# Altium PCB SupplyBox_v2.PcbDoc (part 2 of 2)
Units mil, origin at the board's own origin, x right, y up, seen from the top; angles counter-clockwise.
Board outline 7450 x 9000 mil, 6 copper layers (Top Layer, +50V, +5V, Internal, -50V, Bottom Layer), stack 60.56 mil thick; 234 components, 116 nets, 861 pads, 1382 vias.
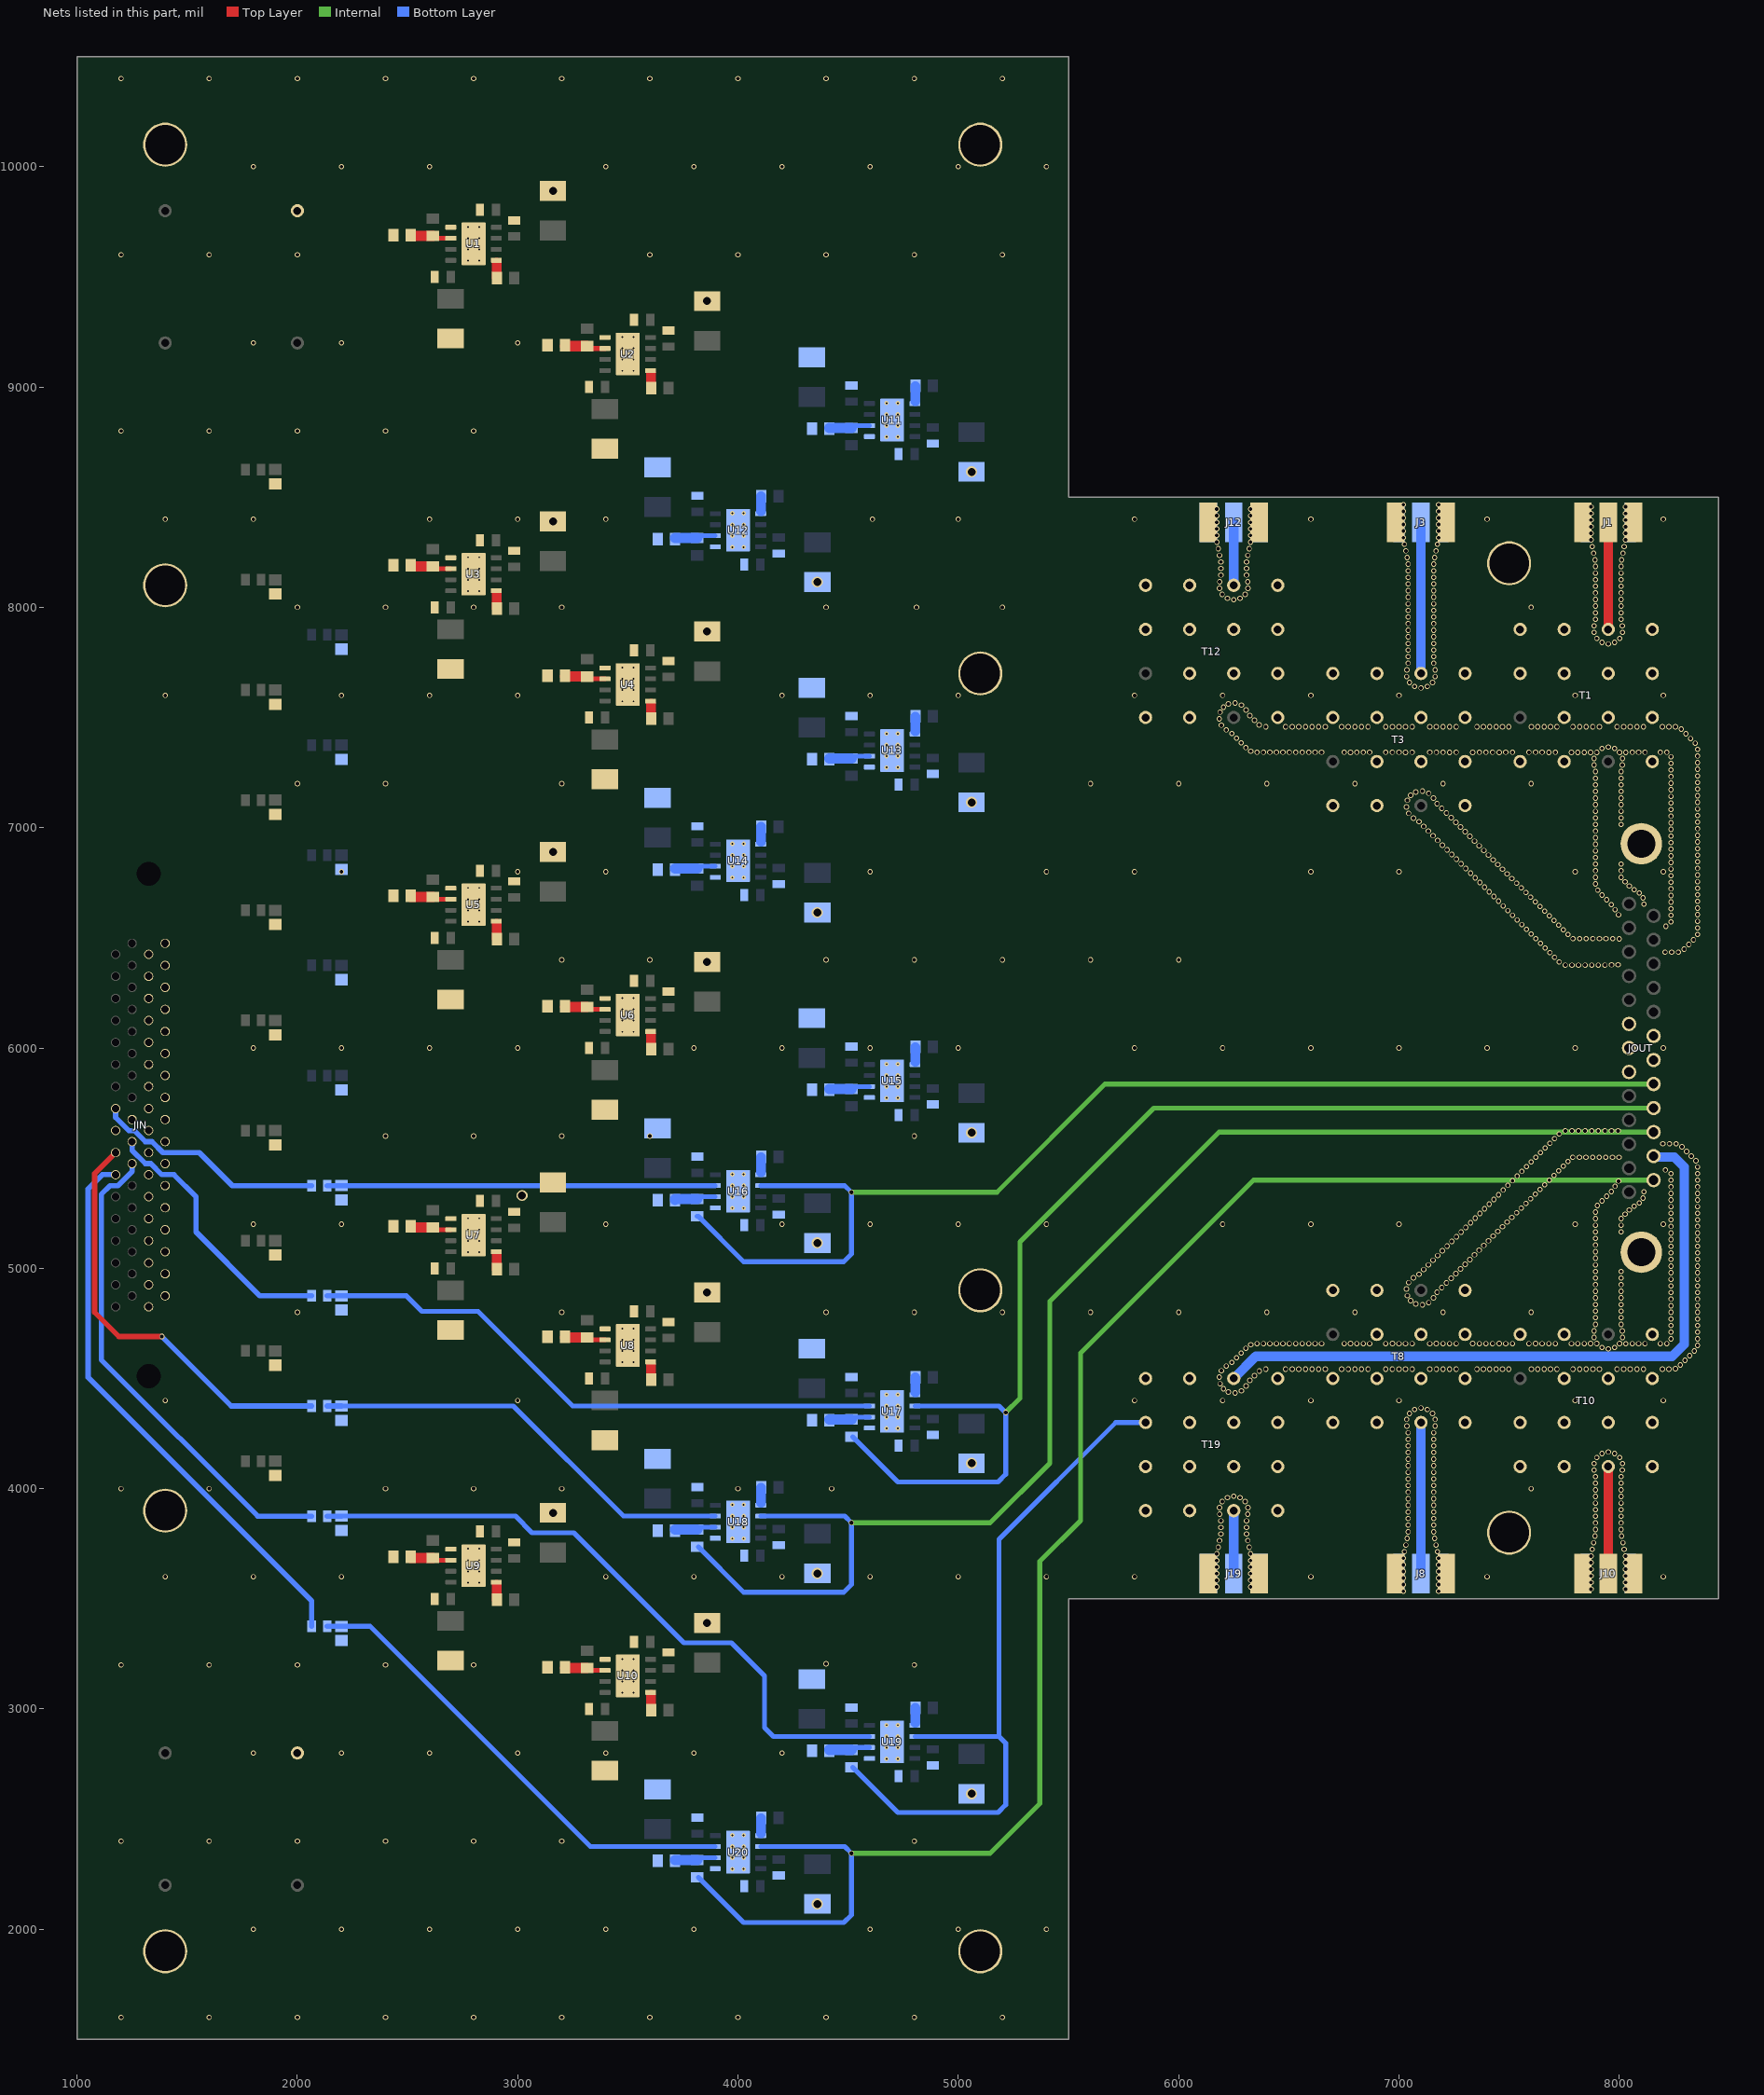
[diagram p6: the nets of this part, all layers, seen from the top]

## Via types
v1: diameter 24, hole 16, Internal to Bottom Layer, 512 vias
v2: diameter 24, hole 16, Top Layer to +5V, 364 vias
v3: diameter 24, hole 16, Top Layer to Bottom Layer, 207 vias
v4: diameter 19.68, hole 7.87, Top Layer to Bottom Layer, tented both sides, 80 vias
v5: diameter 19.68, hole 7.87, Top Layer to Bottom Layer, 80 vias
v6: diameter 24.4, hole 16, Internal to Bottom Layer, 28 vias
v7: diameter 50, hole 36, Top Layer to Bottom Layer, 20 vias
v8: diameter 24, hole 18, +5V to Bottom Layer, 20 vias
v9: diameter 24, hole 18, Top Layer to +5V, 20 vias
v10: diameter 50, hole 36, +50V to Bottom Layer, 10 vias
v11: diameter 50, hole 36, -50V to Bottom Layer, 10 vias
v12: diameter 50, hole 36, Top Layer to -50V, 10 vias
v13: diameter 50, hole 36, Top Layer to +50V, 10 vias
v14: diameter 24, hole 18, Internal to Bottom Layer, 8 vias
v15: diameter 24, hole 18, Top Layer to Bottom Layer, 3 vias

## Nets (pads, with @x,y where several pads share a name; then routed paths per layer and width w, separated by ;. In a path a pad name is that pad's centre, name@x,y a point inside that pad or via, vN(x,y) a via of type N, cw(c..) or ccw(c..) an arc to the next point about the centre after c; other vN are vias at no path point) (continued)
CH16A: JOUT.21 Rf16.2 U16.6 | length 5348.3
  Internal w22: v14(4515,5345) 5175,5345 5666.42,5836.42 JOUT.21@8155.98,5836.42
  Bottom Layer w22: Rf16.2@3815,5235.63 3819.92,5235.63 4025.55,5030 4480,5030 4515,5065 v14(4515,5345) 4485,5375 U16.6@4103.35,5375
CH16F: C16.2 R16.2 U16.3 | length 1761.2
  Bottom Layer w22: C16.2@2200,5375 U16.3@3896.65,5375
  Bottom Layer w24: R16.2@2135.43,5375 C16.2@2200,5375
CH16IN: JIN.16 R16.1 | length 1058
  Bottom Layer w24: JIN.16@1175,5725 1175,5685 1235,5625 1260,5625 1310,5575 1340,5575 1390,5525 1555,5525 1705,5375 R16.1@2064.57,5375
CH17A: JOUT.22 Rf17.2 U17.6 | length 5428.3
  Internal w22: v14(5215,4345) 5280,4410 5280,5120 5887.36,5727.36 JOUT.22@8155.98,5727.36
  Bottom Layer w22: Rf17.2@4519.92,4235.63 4725.55,4030 5180,4030 5215,4065 v14(5215,4345) 5185,4375 U17.6@4803.35,4375
CH17F: C17.2 R17.2 U17.3 | length 2668.3
  Bottom Layer w22: C17.2@2200,4875 2495,4875 2565,4805 2820,4805 3250,4375 U17.3@4596.65,4375
  Bottom Layer w24: R17.2@2135.43,4875 C17.2@2200,4875
CH17IN: JIN.19 R17.1 | length 1221.7
  Bottom Layer w24: JIN.19@1250,5575 1250,5535 1310,5475 1335,5475 1385,5425 1440,5425 1540,5325 1540,5165 1830,4875 R17.1@2064.57,4875
CH18A: JOUT.23 Rf18.2 U18.6 | length 6304.9
  Internal w22: v14(4515,3845) 5145,3845 5415,4115 5415,4850 6183.31,5618.31 JOUT.23@8155.98,5618.31
  Bottom Layer w22: Rf18.2@3819.92,3735.63 4025.55,3530 4480,3530 4515,3565 v14(4515,3845) 4485,3875 U18.6@4103.35,3875
CH18F: C18.2 R18.2 U18.3 | length 1968.3
  Bottom Layer w22: C18.2@2200,4375 2980,4375 3480,3875 U18.3@3896.65,3875
  Bottom Layer w24: R18.2@2135.43,4375 C18.2@2200,4375
CH18IN: JIN.20 R18.1 | length 1925
  Top Layer w24: JIN.20@1175,5525 1080,5430 1080,4800 1190,4690 v15(1385,4690)
  Bottom Layer w24: v15(1385,4690) 1700,4375 R18.1@2064.57,4375
CH19A: Rf19.2 T19.3 U19.6 | length 3278.4
  Bottom Layer w22: Rf19.2@4519.92,2735.63 4725.55,2530 5180,2530 5215,2565 5215,2845 5185,2875 ; U19.6@4803.35,2875 5185,2875 ; T19.3@5850,4300 5715,4300 5185,3770 5185,2875
CH19F: C19.2 R19.2 U19.3 | length 3013.1
  Bottom Layer w22: C19.2@2200,3875 2990,3875 3065,3800 3255,3800 3755,3300 3970,3300 4120,3150 4120,2915 4160,2875 U19.3@4596.65,2875
  Bottom Layer w24: R19.2@2135.43,3875 C19.2@2200,3875
CH19IN: JIN.21 R19.1 | length 2217.2
  Bottom Layer w24: JIN.21@1250,5475 1250,5440 1185,5375 1150,5375 1110,5335 1110,4585 1820,3875 R19.1@2064.57,3875
CH19OUT: JOUT.24 T19.12 | length 3073.6
  Bottom Layer w43: T19.12@6250,4500 6350,4600 8240,4600 8295,4655 8295,5460 8249.95,5505.05 8160.19,5505.05 JOUT.24@8155.98,5509.25
CH20A: JOUT.25 Rf20.2 U20.6 | length 7494.9
  Internal w22: v14(4515,2345) 5145,2345 5370,2570 5370,3670 5555,3855 5555,4615 6340.2,5400.2 JOUT.25@8155.98,5400.2
  Bottom Layer w22: Rf20.2@3819.92,2235.63 4025.55,2030 4480,2030 4515,2065 v14(4515,2345) 4485,2375 U20.6@4103.35,2375
CH20F: C20.2 R20.2 U20.3 | length 2175.4
  Bottom Layer w22: C20.2@2200,3375 2330,3375 3330,2375 U20.3@3896.65,2375
  Bottom Layer w24: R20.2@2135.43,3375 C20.2@2200,3375
CH20IN: JIN.22 R20.1 | length 2557.2
  Bottom Layer w24: JIN.22@1175,5425 1115,5425 1050,5360 1050,4505 2064.57,3490.43 R20.1@2064.57,3375
GND: C1.1 C2.1 C3.1 C4.1 C5.1 C6.1 C7.1 C8.1 C9.1 C10.1 C11.1 C12.1 C13.1 C14.1 C15.1 C16.1 C17.1 C18.1 C19.1 C20.1 Cd11.1 Cd12.2 Cd13.1 Cd14.2 Cd21.1 Cd22.2 Cd23.1 Cd24.2 Cd31.1 Cd32.2 Cd33.1 Cd34.2 Cd41.1 Cd42.2 Cd43.1 Cd44.2 Cd51.1 Cd52.2 Cd53.1 Cd54.2 Cd61.1 Cd62.2 Cd63.1 Cd64.2 Cd71.1 Cd72.2 Cd73.1 Cd74.2 Cd81.1 Cd82.2 Cd83.1 Cd84.2 Cd91.1 Cd92.2 Cd93.1 Cd94.2 Cd101.1 Cd102.2 Cd103.1 Cd104.2 Cd111.1 Cd112.2 Cd113.1 Cd114.2 Cd121.1 Cd122.2 Cd123.1 Cd124.2 Cd131.1 Cd132.2 Cd133.1 Cd134.2 Cd141.1 Cd142.2 Cd143.1 Cd144.2 Cd151.1 Cd152.2 Cd153.1 Cd154.2 Cd161.1 Cd162.2 Cd163.1 Cd164.2 Cd171.1 Cd172.2 Cd173.1 Cd174.2 Cd181.1 Cd182.2 Cd183.1 Cd184.2 Cd191.1 Cd192.2 Cd193.1 Cd194.2 Cd201.1 Cd202.2 Cd203.1 Cd204.2 Ce1.1 Ce2.1 Ce3.1 Ce4.1 Ce5.1 Ce6.1 Ce7.1 Ce8.1 Ce9.1 Ce10.1 Ce11.1 Ce12.1 Ce13.1 Ce14.1 Ce15.1 Ce16.1 Ce17.1 Ce18.1 Ce19.1 Ce20.1 J1.2 J1.3 J1.4 J1.5 J3.2 J3.3 J3.4 J3.5 J8.2 J8.3 J8.4 J8.5 J10.2 J10.3 J10.4 J10.5 J12.2 J12.3 J12.4 J12.5 J19.2 J19.3 J19.4 J19.5 JIN.17 JIN.18 JIN.35 JIN.36 JIN.37 JIN.38 JIN.39 JIN.40 JIN.41 JIN.42 JIN.43 JIN.44 JIN.45 JIN.46 JIN.47 JIN.48 JIN.49 JIN.50 JIN.51 JIN.52 JIN.53 JIN.54 JIN.55 JIN.56 JIN.57 JIN.58 JIN.59 JIN.60 JIN.61 JIN.62 JIN.63 JIN.64 JIN.65 JIN.66 JIN.67 JIN.68 JIN.M1 JIN.M2 JOUT.6 JOUT.7 JOUT.8 JOUT.19 JOUT.20 JOUT.M1 JOUT.M2 pad.4.5mm pad.Vg Rg1.1 Rg2.1 Rg3.1 Rg4.1 Rg5.1 Rg6.1 Rg7.1 Rg8.1 Rg9.1 Rg10.1 Rg11.1 Rg12.1 Rg13.1 Rg14.1 Rg15.1 Rg16.1 Rg17.1 Rg18.1 Rg19.1 Rg20.1 T1.1 T1.2 T1.4 T1.5 T1.6 T1.7 T1.8 T1.10 T1.11 T1.13 T1.14 T1.15 T1.16 T3.1 T3.2 T3.4 T3.5 T3.6 T3.7 T3.8 T3.10 T3.11 T3.13 T3.14 T3.15 T3.16 T8.1 T8.2 T8.4 T8.5 T8.6 T8.7 T8.8 T8.10 T8.11 T8.13 T8.14 T8.15 T8.16 T10.1 T10.2 T10.4 T10.5 T10.6 T10.7 T10.8 T10.10 T10.11 T10.13 T10.14 T10.15 T10.16 T12.1 T12.2 T12.4 T12.5 T12.6 T12.7 T12.8 T12.10 T12.11 T12.13 T12.14 T12.15 T12.16 T19.1 T19.2 T19.4 T19.5 T19.6 T19.7 T19.8 T19.10 T19.11 T19.13 T19.14 T19.15 T19.16 U1.1 U1.9@2800,9650 U2.1 U2.9@3500,9150 U3.1 U3.9@2800,8150 U4.1 U4.9@3500,7650 U5.1 U5.9@2800,6650 U6.1 U6.9@3500,6150 U7.1 U7.9@2800,5150 U8.1 U8.9@3500,4650 U9.1 U9.9@2800,3650 U10.1 U10.9@3500,3150 U11.1 U11.9@4700,8850 U12.1 U12.9@4000,8350 U13.1 U13.9@4700,7350 U14.1 U14.9@4000,6850 U15.1 U15.9@4700,5850 U16.1 U16.9@4000,5350 U17.1 U17.9@4700,4350 U18.1 U18.9@4000,3850 U19.1 U19.9@4700,2850 U20.1 U20.9@4000,2350
  other v1: 7020,3534 7180,3534 6173.4,3554 6326.6,3554 7020,3564 7180,3564 6173.4,3584 6326.6,3584 7020,3594 7180,3594 6173.4,3614 6326.6,3614 7020,3624 7180,3624 6173.4,3644 6326.6,3644 7020,3654 7180,3654 6173.4,3674 6326.6,3674 7020,3684 7180,3684 6173.4,3704 6326.6,3704 7025.2,3714 7174.8,3714 6179.6,3734 6320.4,3734 7031.4,3744 7168.6,3744 6185.8,3764 6314.2,3764 7037.6,3774 7162.4,3774 6192,3794 6308,3794 7042,3804 7158,3804 6192,3824 6308,3824 7042,3834 7158,3834 6192,3854 6308,3854 7042,3864 7158,3864 6186,3884 6314,3884 7042,3894 7158,3894 6185.5,3914 6314.5,3914 7042,3924 7158,3924 6197.8,3941 6302.2,3941 7042,3954 7158,3954 6221.2,3959.5 6278.8,3959.5 6250,3966 7042,3984 7158,3984 7042,4014 7158,4014 7042,4044 7158,4044 7042,4074 7158,4074 7042,4104 7158,4104 7042,4134 7158,4134 7042,4164 7158,4164 7042,4194 7158,4194 7042,4224 7158,4224 7042,4254 7158,4254 7036,4284 7164,4284 7035.5,4314 7164.5,4314 7047.8,4341 7152.2,4341 7071.2,4359.5 7128.8,4359.5 7100,4366 6256.4,4434.1 6226,4438.2 6285.2,4444.2 6203.4,4453.4 6306.5,4466 6188.2,4476 6323.17,4491.21 6184.1,4506.4 6344.39,4512.43 6366,4534 6194.2,4535.2 6395.6,4542 6485.6,4542 6515.6,4542 6545.6,4542 6575.6,4542 6605.6,4542 6635.6,4542 6665.6,4542 6740,4542 6770,4542 6800,4542 6860,4542 6940,4542 6970,4542 7000,4542 7060,4542 7140,4542 7170,4542 7200,4542 7260,4542 7354,4542 7383,4542 7412,4542 7441,4542 7470,4542 7498.8,4542 7601.2,4542 7659,4542 7688,4542 7717,4542 7790,4542 7820,4542 7850,4542 7910,4542 7990,4542 8020,4542 8050,4542 8110,4542 8195.6,4542 8225.6,4542 8255,4544 6216,4556.5 8276.81,4561.21 6241.21,4573.17 8298.03,4582.43 6262.43,4594.39 8319.24,4603.64 6283.64,4615.6 8340.45,4624.85 6304.85,4636.81 8355,4650 6327.5,4653 6355.5,4658 6384.9,4658 6414.3,4658 6443.7,4658 6473.1,4658 6502.5,4658 6531.8,4658 6561.1,4658 6590.3,4658 6619.5,4658 6648.7,4658 6751.3,4658 6809,4658 6838,4658 6867,4658 6940,4658 7000,4658 7030,4658 7060,4658 7140,4658 7200,4658 7230,4658 7260,4658 7365,4658 7395,4658 7425,4658 7485,4658 7515,4658 7590,4658 7650,4658 7680,4658 7710,4658 7783,4658 7812,4658 7841,4658 7898.8,4658 8001.2,4658 8059,4658 8088,4658 8117,4658 8186.07,4658 8216,4658 8235,4680 8355,4680 8235,4710 8355,4710 8235,4740 8355,4740 8235,4770 8355,4770 8235,4800 8355,4800 8235,4830 8355,4830 8235,4860 8355,4860 8235,4890 8355,4890 8235,4920 8355,4920 8235,4950 8355,4950 8235,4980 8355,4980 8235,5010 8355,5010 8235,5040 8355,5040 8235,5070 8355,5070 8235,5100 8355,5100 8235,5130 8355,5130 8235,5160 8355,5160 8235,5190 8355,5190 8235,5220 8355,5220 8235,5250 8355,5250 8235,5280 8355,5280 8235,5310 8355,5310 8235,5340 8355,5340 8235,5370 8355,5370 8235,5400 8355,5400 8235,5430 8355,5430 8209,5446 8355,5460 8348,5488 8326.79,5509.21 8305.57,5530.43 8284.36,5551.64 8198,5565.05 8228,5565.05 8258,5565.05 8208,6434.95 8238,6434.95 8268,6434.95 8294.57,6448.57 8315.79,6469.79 8337,6491 8355,6515 8355,6545 8212,6552 8235,6572 8355,6575 8235,6602 8355,6605 8235,6632 8355,6635 8235,6662 8355,6665 8235,6692 8355,6695 8235,6722 8355,6725 8235,6752 8355,6755 8235,6782 8355,6785 8235,6812 8355,6815 8235,6842 8355,6845 8235,6872 8355,6875 8235,6902 8355,6905 8235,6932 8355,6935 8235,6962 8355,6965 8235,6992 8355,6995 8235,7022 8355,7025 8235,7052 8355,7055 8235,7082 8355,7085 8235,7112 8355,7115 8235,7142 8355,7145 8235,7172 8355,7175 8235,7202 8355,7205 8235,7232 8355,7235 8235,7262 8355,7265 8235,7292 8355,7295 8235,7322 8355,7325 6355.5,7342 6384.9,7342 6414.3,7342 6443.7,7342 6473.1,7342 6502.5,7342 6531.8,7342 6561.1,7342 6590.3,7342 6619.5,7342 6648.7,7342 6751.2,7342 6809,7342 6838,7342 6867,7342 6940,7342 6970,7342 7000,7342 7060,7342 7140,7342 7170,7342 7200,7342 7260,7342 7365,7342 7395,7342 7425,7342 7485,7342 7515,7342 7590,7342 7620,7342 7650,7342 7710,7342 7783,7341.6 7812,7341.6 7841,7341.6 7898.8,7341.6 8001.2,7342 8059,7342 8088,7342 8117,7342 8186.07,7342 8216,7342 6327.5,7347.2 8355,7355 6304.85,7363.19 8344.64,7383.36 6283.64,7384.4 8323.43,7404.57 6262.43,7405.61 8302.21,7425.79 6241.21,7426.83 6216,7443.5 8281,7447 6395.6,7458 6485.6,7458 6515.6,7458 6545.6,7458 6575.6,7458 6605.6,7458 6635.6,7458 6665.6,7458 6740,7458 6800,7458 6830,7458 6860,7458 6940,7458 7000,7458 7030,7458 7060,7458 7140,7458 7200,7458 7230,7458 7260,7458 7354,7458 7383,7458 7412,7458 7441,7458 7470,7458 7498.8,7458 7601.2,7458 7659,7458 7688,7458 7717,7458 7790,7458 7850,7458 7880,7458 7910,7458 7990,7458 8050,7458 8080,7458 8110,7458 8195.6,7458 8225.6,7458 8255,7458 6194.2,7464.8 6365.6,7466.36 6344.39,7487.57 6184.1,7493.6 6323.17,7508.79 6188.2,7524 6306.5,7534 6203.4,7546.6 6285.2,7555.8 6226,7561.8 6256.4,7565.9 7100,7634 7071.2,7640.5 7128.8,7640.5 7047.8,7659 7152.2,7659 7035.5,7686 7164.5,7686 7036,7716 7164,7716 7042,7746 7158,7746 7042,7776 7158,7776 7042,7806 7158,7806 7042,7836 7158,7836 7042,7866 7158,7866 7042,7896 7158,7896 7042,7926 7158,7926 7042,7956 7158,7956 7042,7986 7158,7986 7042,8016 7158,8016 6250,8034 6221.2,8040.5 6278.8,8040.5 7042,8046 7158,8046 6197.8,8059 6302.2,8059 7042,8076 7158,8076 6185.5,8086 6314.5,8086 7042,8106 7158,8106 6186,8116 6314,8116 7042,8136 7158,8136 6192,8146 6308,8146 7042,8166 7158,8166 6192,8176 6308,8176 7042,8196 7158,8196 6192,8206 6308,8206 7037.6,8226 7162.4,8226 6185.8,8236 6314.2,8236 7031.4,8256 7168.6,8256 6179.6,8266 6320.4,8266 7025.2,8286 7174.8,8286 6173.4,8296 6326.6,8296 7020,8316 7180,8316 6173.4,8326 6326.6,8326 7020,8346 7180,8346 6173.4,8356 6326.6,8356 7020,8376 7180,8376 6173.4,8386 6326.6,8386 7020,8406 7180,8406 6173.4,8416 6326.6,8416 7020,8436 7180,8436 6173.4,8446 6326.6,8446 7020,8466 7180,8466
  other v2: 7872,3544 8028,3544 7872,3574 8028,3574 7872,3604 8028,3604 7872,3634 8028,3634 7872,3664 8028,3664 7872,3694 8028,3694 7877.5,3724.47 8022.5,3724.47 7883.44,3754.47 8016.56,3754.47 7889.85,3784.47 8010.15,3784.47 7892.04,3814.47 8007.96,3814.47 7892.04,3844.47 8007.96,3844.47 7892.04,3874.47 8007.96,3874.47 7892.04,3904.47 8007.96,3904.47 7892.04,3934.47 8007.96,3934.47 7892.04,3964.47 8007.96,3964.47 7892.04,3994.47 8007.96,3994.47 7892.04,4024.47 8007.96,4024.47 7892.04,4054.47 8007.96,4054.47 7886,4084 8014,4084 7885.5,4114 8014.5,4114 7897.8,4141 8002.2,4141 7921.2,4159.5 7978.8,4159.5 7950,4166 7950,4634 7921.2,4640.5 7978.8,4640.5 7897.8,4659 8002.2,4659 7885.5,4686 8014.5,4686 7886,4716 8014,4716 7892.04,4745.53 8007.96,4745.53 7892.04,4775.53 8007.96,4775.53 7892.04,4805.53 8007.96,4805.53 7106.4,4834.1 7892.04,4835.53 8007.96,4835.53 7076,4838.2 7135.2,4844.2 7053.4,4853.4 7156.5,4866 7892.04,4865.53 8007.96,4865.53 7038.2,4876 7173.17,4891.21 7892.04,4895.53 8007.96,4895.53 7034.1,4906.4 7194.39,4912.43 7892.04,4925.53 8007.96,4925.53 7215.6,4933.64 7044.2,4935.2 7236.81,4954.85 7066,4956.5 7892.04,4955.53 8007.96,4955.53 7091.21,4973.17 7258.03,4976.07 7892.04,4985.53 8007.96,4985.53 7112.43,4994.39 7279.24,4997.28 7133.64,5015.6 7892.04,5015.53 7300.45,5018.49 7154.85,5036.81 7321.67,5039.71 7892.04,5045.53 7176.07,5058.03 7342.88,5060.92 7892.04,5075.53 7197.28,5079.24 7364.09,5082.13 7218.49,5100.45 7385.31,5103.35 7892.04,5105.53 7239.71,5121.67 7406.52,5124.56 7892.04,5135.53 7260.92,5142.88 7427.73,5145.77 7282.13,5164.09 7892.04,5165.53 8007.96,5165.53 7448.95,5166.98 7303.35,5185.31 7470.16,5188.2 7892.04,5195.53 8007.96,5195.53 7324.56,5206.52 7491.37,5209.41 7892.04,5225.53 8007.96,5225.53 7345.77,5227.73 7512.59,5230.62 8026.3,5246 7366.98,5248.95 7533.8,5251.84 7892.04,5255.53 8045.8,5265 7388.2,5270.16 7555.01,5273.05 8068,5281.2 7900.04,5284.53 7409.41,5291.37 7576.23,5294.26 8091,5296 7921.26,5305.74 7430.62,5312.59 7597.44,5315.48 8107.5,5319 7942.47,5326.96 7451.84,5333.8 7618.65,5336.69 8112.5,5347 7963.68,5348.17 7473.05,5355.01 7639.87,5357.9 7980.6,5372 7494.26,5376.23 7661.08,5379.12 7997,5395.3 7515.48,5397.44 7682.29,5400.33 7536.69,5418.65 7703.5,5421.54 7557.9,5439.87 7724.72,5442.76 7579.12,5461.08 7745.93,5463.97 7600.33,5482.29 7767.14,5485.18 7621.54,5503.5 7789,5503.78 7819,5503.78 7849,5503.78 7879,5503.78 7909,5503.78 7939,5503.78 7969,5503.78 7999,5503.78 7642.76,5524.72 7663.97,5545.93 7685.18,5567.14 7706.4,5588.36 7727.61,5609.57 7755,5623.78 7785,5623.78 7815,5623.78 7845,5623.78 7875,5623.78 7905,5623.78 7935,5623.78 7965,5623.78 7995,5623.78 7755,6376.22 7785,6376.22 7815,6376.22 7845,6376.22 7875,6376.22 7905,6376.22 7935,6376.22 7965,6377 7995,6378 7727.61,6390.43 7706.4,6411.64 7685.18,6432.86 7663.97,6454.07 7642.76,6475.28 8000,6495 7621.54,6496.5 7790,6496.22 7820,6496.22 7850,6496.22 7880,6496.22 7910,6496.22 7940,6496.22 7970,6496 7767.14,6514.82 7600.33,6517.71 7745.93,6536.03 7579.12,6538.92 7724.72,6557.24 7557.9,6560.13 7703.5,6578.46 7536.69,6581.35 7682.29,6599.67 7515.48,6602.56 7997,6604.7 7661.08,6620.88 7494.26,6623.77 7980.6,6628 7639.87,6642.1 7473.05,6644.99 7964,6651 8112.5,6653 7618.65,6663.31 7451.84,6666.2 7943,6673 8107.5,6681 7597.44,6684.52 7430.62,6687.41 7922,6694 8091,6704 7576.23,6705.74 7409.41,6708.63 7902.04,6716.47 8068,6718.8 7555.01,6726.95 7388.2,6729.84 8045.8,6735 7892.04,6744.47 7533.8,6748.16 7366.98,6751.05 8026.3,6754 7512.59,6769.38 7345.77,6772.27 7892.04,6774.47 8007.96,6774.47 7491.37,6790.59 7324.56,6793.48 7892.04,6804.47 8007.96,6804.47 7470.16,6811.8 7303.35,6814.69 7448.95,6833.02 7892.04,6834.47 8007.96,6834.47 7282.13,6835.91 7427.73,6854.23 7260.92,6857.12 7892.04,6864.47 7406.52,6875.44 7239.71,6878.33 7892.04,6894.47 7385.31,6896.65 7218.49,6899.55 7364.09,6917.87 7197.28,6920.76 7892.04,6924.47 7342.88,6939.08 7176.07,6941.97 7892.04,6954.47 7321.67,6960.29 7154.85,6963.19 7300.45,6981.51 7133.64,6984.4 7892.04,6984.47 7279.24,7002.72 7112.43,7005.61 7892.04,7014.47 8007.96,7014.47 7258.03,7023.93 7091.21,7026.83 7066,7043.5 7892.04,7044.47 8007.96,7044.47 7236.81,7045.15 7044.2,7064.8 7215.6,7066.36 7892.04,7074.47 8007.96,7074.47 7194.39,7087.57 7034.1,7093.6 7892.04,7104.47 8007.96,7104.47 7173.17,7108.79 7038.2,7124 7156.5,7134 7892.04,7134.47 8007.96,7134.47 7053.4,7146.6 7135.2,7155.8 7076,7161.8 7892.04,7164.47 8007.96,7164.47 7106.4,7165.9 7892.04,7194.47 8007.96,7194.47 7892.04,7224.47 8007.96,7224.47 7892.04,7254.47 8007.96,7254.47 7886,7284 8014,7284 7885.5,7314 8014.5,7314 7897.8,7341 8002.2,7341 7921.2,7359.5 7978.8,7359.5 7950,7366 7950,7834 7921.2,7840.5 7978.8,7840.5 7897.8,7859 8002.2,7859 7885.5,7886 8014.5,7886 7886,7916 8014,7916 7892.04,7945.53 8007.96,7945.53 7892.04,7975.53 8007.96,7975.53 7892.04,8005.53 8007.96,8005.53 7892.04,8035.53 8007.96,8035.53 7892.04,8065.53 8007.96,8065.53 7892.04,8095.53 8007.96,8095.53 7892.04,8125.53 8007.96,8125.53 7892.04,8155.53 8007.96,8155.53 7892.04,8185.53 8007.96,8185.53 7889.85,8215.53 8010.15,8215.53 7883.44,8245.53 8016.56,8245.53 7877.5,8275.53 8022.5,8275.53 7872,8306 8028,8306 7872,8336 8028,8336 7872,8366 8028,8366 7872,8396 8028,8396 7872,8426 8028,8426 7872,8456 8028,8456
  other v3: 1200,1600 1600,1600 2000,1600 2400,1600 2800,1600 3200,1600 3600,1600 4000,1600 4400,1600 4800,1600 5200,1600 1800,2000 2200,2000 2600,2000 3000,2000 3400,2000 3800,2000 4600,2000 5000,2000 5400,2000 1200,2400 1600,2400 2000,2400 2400,2400 2800,2400 3200,2400 4800,2400 1800,2800 2200,2800 2600,2800 3000,2800 3400,2800 3800,2800 4200,2800 1200,3200 1600,3200 2000,3200 2400,3200 2800,3200 4800,3200 4400,3205 1400,3600 1800,3600 2200,3600 3400,3600 3800,3600 4200,3600 4600,3600 5000,3600 5400,3600 5800,3600 6600,3600 7400,3600 8200,3600 1200,4000 1600,4000 2400,4000 2800,4000 3200,4000 4000,4000 4425,4000 7600,4000 1400,4400 3000,4400 5800,4400 6200,4400 6600,4400 7000,4400 7800,4400 8200,4400 2000,4800 3200,4800 4400,4800 4800,4800 5200,4800 5600,4800 6000,4800 6400,4800 6800,4800 7200,4800 7600,4800 1800,5200 2200,5200 3400,5200 4200,5200 4600,5200 5000,5200 5400,5200 6200,5200 6600,5200 7000,5200 7800,5200 8200,5200 2400,5600 2800,5600 3200,5600 3600,5600 4800,5600 1800,6000 2200,6000 2600,6000 3000,6000 3800,6000 4200,6000 4600,6000 5000,6000 5800,6000 6200,6000 6600,6000 7000,6000 7400,6000 7800,6000 8200,6000 3200,6400 3600,6400 4400,6400 4800,6400 5200,6400 5600,6400 6000,6400 2200,6800 3000,6800 3400,6800 4600,6800 5400,6800 5800,6800 6600,6800 7000,6800 7800,6800 8200,6800 2000,7200 2400,7200 3200,7200 5600,7200 6000,7200 6400,7200 6800,7200 7200,7200 7600,7200 1400,7600 2200,7600 2600,7600 3000,7600 4200,7600 4600,7600 5000,7600 5800,7600 6200,7600 6600,7600 7000,7600 7800,7600 8200,7600 2000,8000 2400,8000 2800,8000 3200,8000 4400,8000 4810,8000 5200,8000 7600,8000 1400,8400 1800,8400 2600,8400 3000,8400 3400,8400 4610,8400 5000,8400 5800,8400 6600,8400 7400,8400 8200,8400 1200,8800 1600,8800 2000,8800 2400,8800 2800,8800 1800,9200 2200,9200 3000,9200 1200,9600 1600,9600 2000,9600 3600,9600 4000,9600 4400,9600 4800,9600 5200,9600 1800,10000 2200,10000 2600,10000 3400,10000 3800,10000 4200,10000 4600,10000 5000,10000 5400,10000 1200,10400 1600,10400 2000,10400 2400,10400 2800,10400 3200,10400 3600,10400 4000,10400 4400,10400 4800,10400 5200,10400